# Allegro board 1156197-TDI_VU3P_QSFP28_CXP_V001_1023A-166-20241121_1644_PCB.brd (continued)
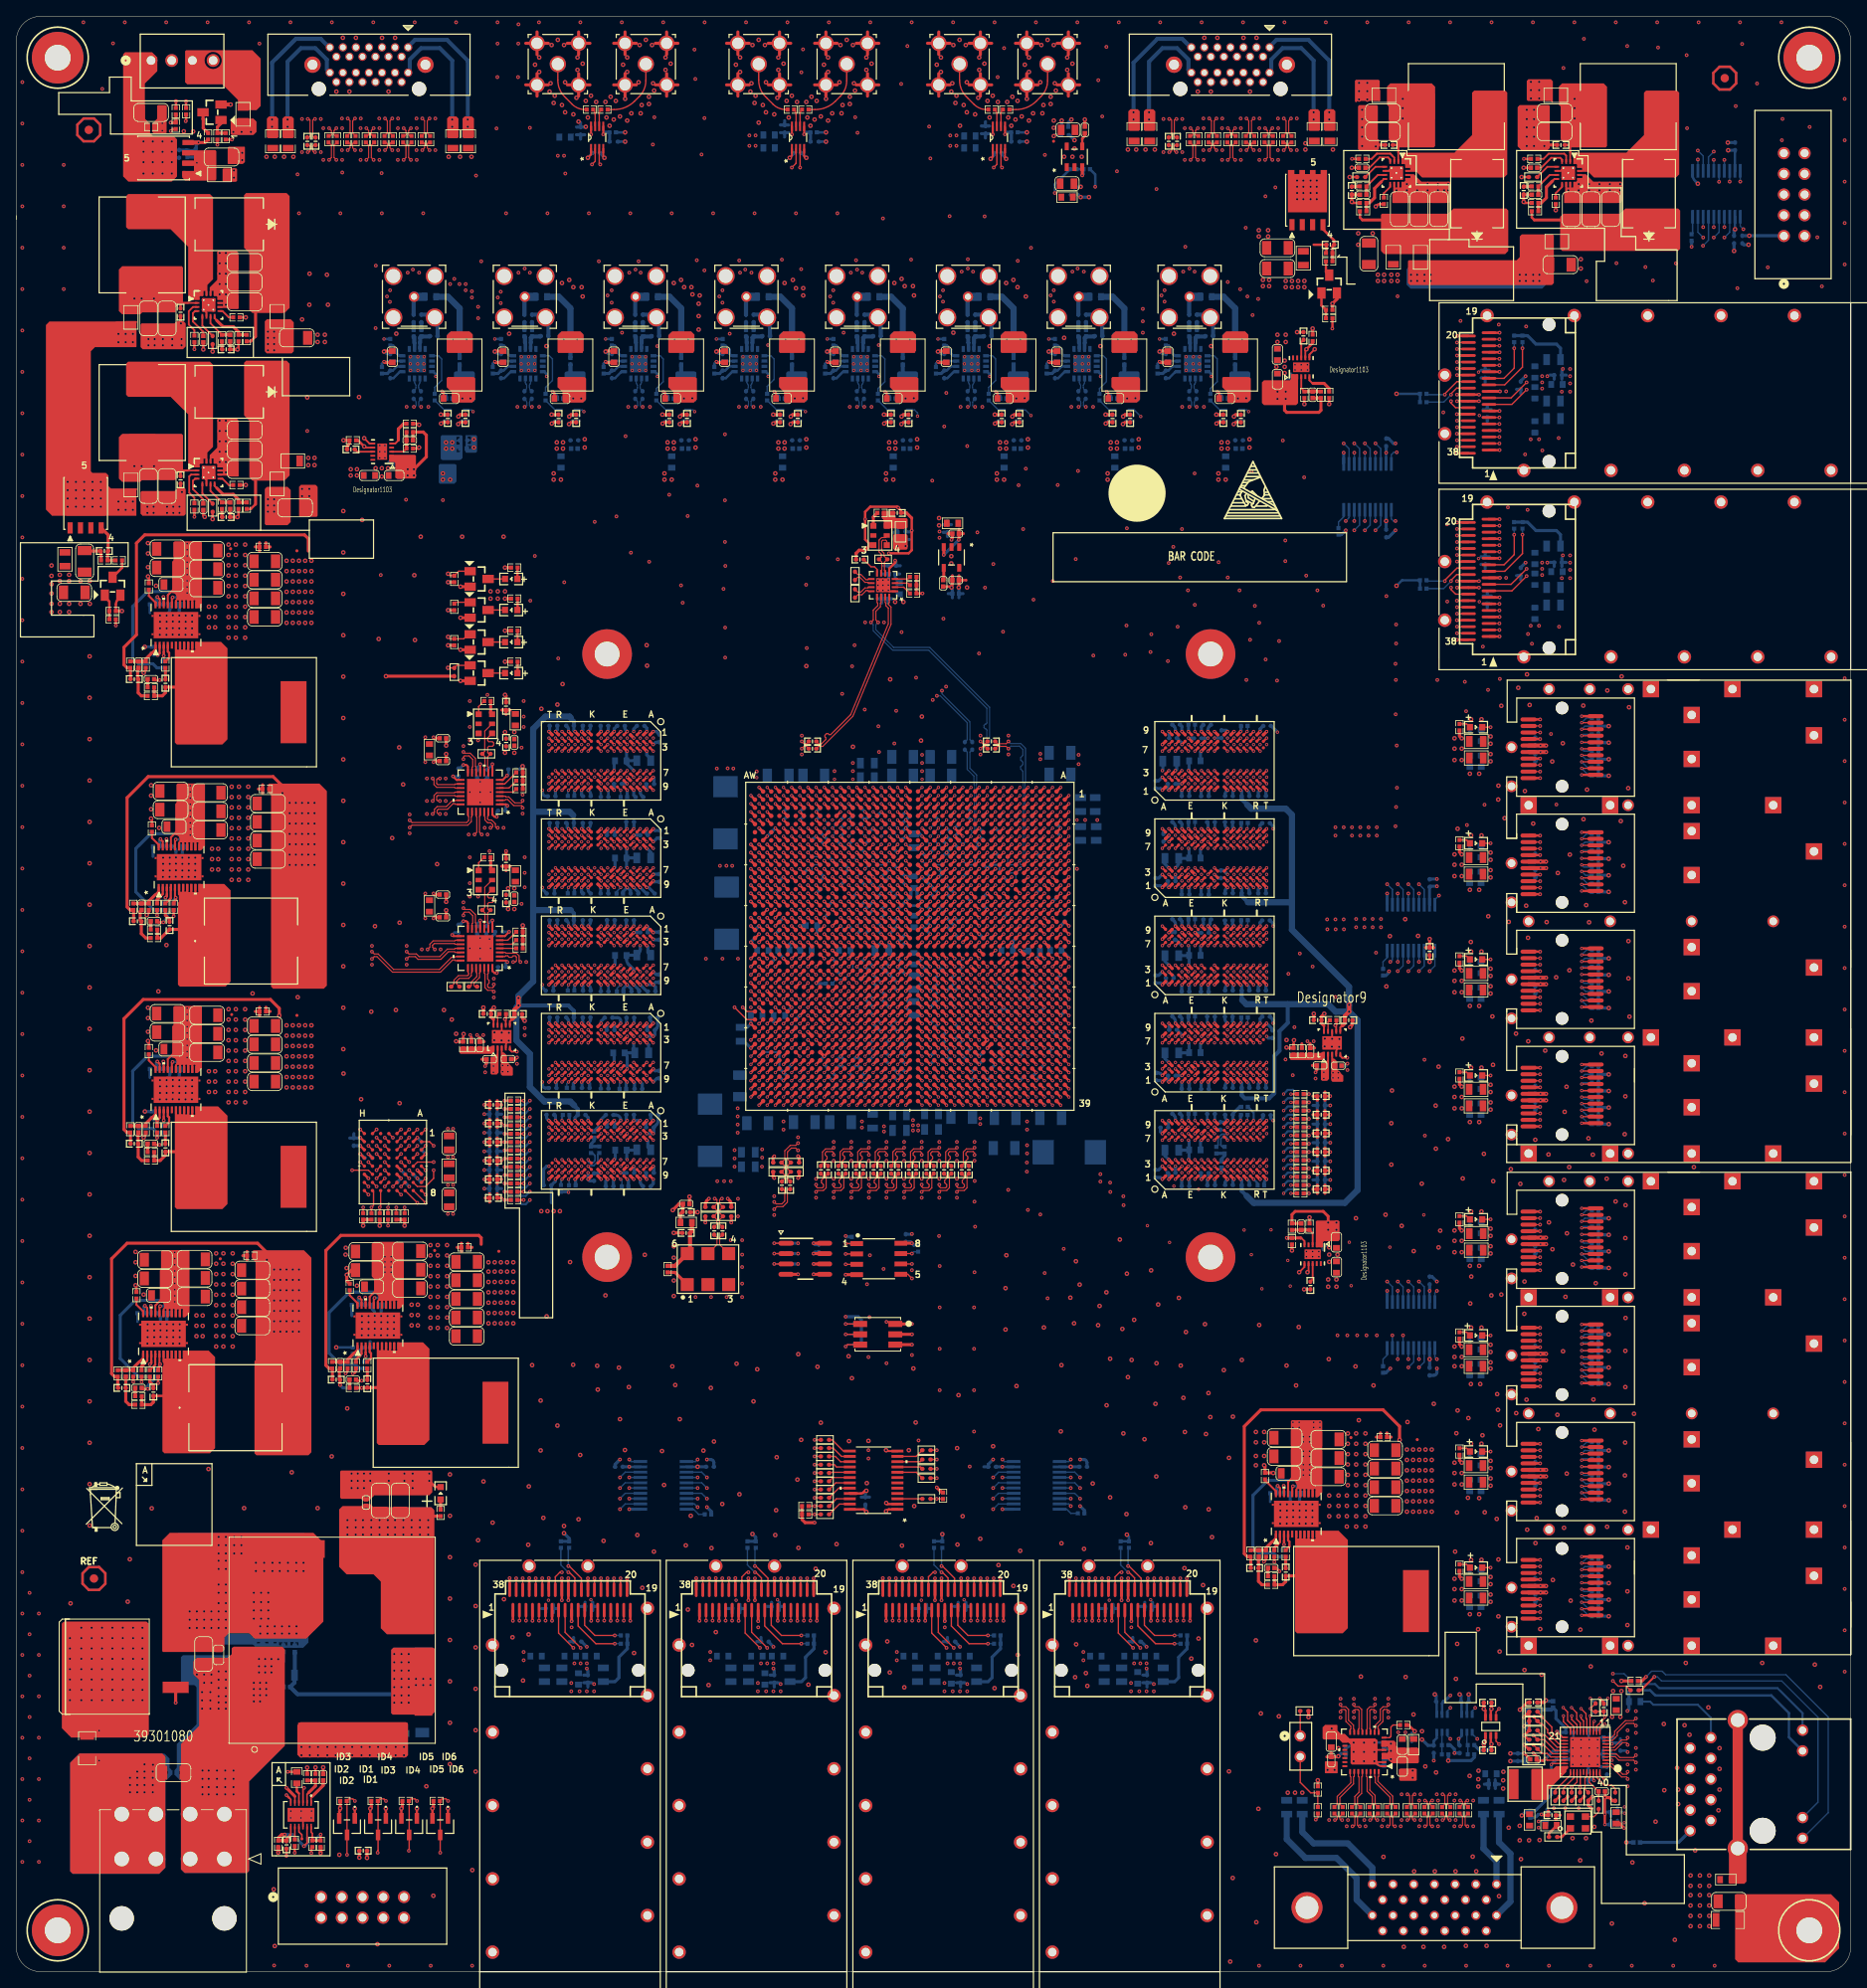
[diagram p0: board, top side]
## Routing (per net, layer and track width the routed paths; a pad name or vN(x,y) marks a point on that pad's centre or on a via; arc(x,y) is an arc through that point) (continued)
N29807267: length 16.2
  BOTTOM w0.495: v2(53.47,226.44) v2(53.47,227.33) 53.47,234.57 51.94,236.09 49.66,236.09 48.26,234.7 48.26,233.28 J28.14
N29807287: length 23.3
  TOP w0.14: R522.2 40.93,225.66 40.93,227.18 v1(40.65,227.46)
  ART14 w0.114: J28.12 39.28,235.04 39.4,234.93 39.4,234.33 39.28,234.22 38.91,234.22 36.91,236.22 34.87,236.22 34,235.34 34,230.62 36.01,228.6 40.46,228.6 40.94,228.12 40.94,227.75 v1(40.65,227.46)
N29807305: length 23.7
  TOP w0.14: R523.2 41.26,225.66 41.26,227.18 v1(41.54,227.46)
  ART14 w0.114: J28.25 39.26,233.67 39.01,233.91 38.79,233.91 36.78,235.91 35,235.91 34.3,235.22 34.3,230.75 36.14,228.91 40.59,228.91 41.25,228.24 41.25,227.75 v1(41.54,227.46)
N29807406: length 23
  TOP w0.14: R526.2 38.51,225.32 38.65,225.46 38.65,225.98 v1(38.37,226.26)
  ART12 w0.114: J28.11 40.06,234.39 39.88,234.22 38.91,234.22 36.73,236.4 34.85,236.4 33.91,235.46 33.91,230.71 36.27,228.35 38.1,228.35 38.66,227.79 38.66,226.55 v1(38.37,226.26)
N29807430: length 23
  TOP w0.14: R527.2 39.11,225.32 38.98,225.46 38.98,225.98 v1(39.26,226.26)
  ART12 w0.114: J28.24 40.6,233.08 40.87,233.35 40.87,233.72 40.68,233.91 40.01,233.91 40.01,233.91 38.78,233.91 36.6,236.09 34.98,236.09 34.22,235.33 34.22,230.83 36.4,228.65 37.09,228.65 37.3,228.87 37.53,228.87 37.75,228.65 38.23,228.65 38.96,227.92 38.96,226.55 v1(39.26,226.26)
N29807492: length 27.2
  TOP w0.14: v1(42.94,226.26) 43.22,225.98 43.22,225.46 43.08,225.32 R530.2
  ART16 w0.114: J28.10 41.07,234.83 41.07,234.33 40.96,234.21 38.91,234.21 36.78,236.35 34.8,236.35 33.78,235.33 33.78,231.52 36.7,228.6 42.42,228.6 43.23,227.79 43.23,226.55 v1(42.94,226.26)
N29807516: length 27.5
  TOP w0.14: v1(43.83,226.26) 43.55,225.98 43.55,225.46 43.69,225.32 R531.2
  ART16 w0.114: J28.23 40.86,233.74 40.69,233.91 38.79,233.91 36.65,236.04 34.93,236.04 34.09,235.2 34.09,231.65 36.83,228.91 42.55,228.91 43.54,227.92 43.54,226.55 v1(43.83,226.26)
N29807581: length 22.3
  TOP w0.14: C881.1 35.89,225.13 36.03,225.27 36.03,227.26 35.89,227.39 v1(35.75,227.39)
  ART07 w0.114: v1(35.75,227.39) 36.04,227.69 36.04,228.5 33.86,230.69 33.86,235.08 35.05,236.27 36.83,236.27 38.89,234.22 41.23,234.22 41.66,234.65 J28.9
N29807608: length 22.4
  TOP w0.14: C882.1 36.5,225.13 36.36,225.27 36.36,227.26 36.5,227.39 v1(36.64,227.39)
  ART07 w0.114: v1(36.64,227.39) 36.35,227.69 36.35,228.63 35.76,229.22 35.76,229.38 36.19,229.81 36.19,229.97 36.03,230.13 35.87,230.13 35.44,229.7 35.28,229.7 34.16,230.81 34.16,234.95 35.18,235.97 36.7,235.97 38.76,233.91 41.63,233.91 41.78,233.76 41.78,233.21 J28.22
N29808008: length 16.6
  BOTTOM w0.495: v2(31.37,226.44) v2(31.37,227.33) 31.37,234.31 34.29,237.24 37.34,237.24 38.38,236.19 J28.13
N29808025: length 15.8
  BOTTOM w0.495: v2(33.27,226.44) v2(33.27,227.33) 33.27,234.44 34.92,236.09 36.68,236.09 38.1,234.67 38.1,233.44 J28.26
N29863451: length 2.5
  TOP w0.254: U64.8 v1(95.14,225.5)
  BOTTOM w0.381: 93.73,225.72 C883.1 ; C883.1 94.74,225.72 ; C883.1 94.23,225.18
N29863542: length 7.5
  TOP w0.17: R548.2 94.41,228.55 arc(93.54,228.72) 92.81,229.21 92.05,229.97 91.9,230.12 arc(91.28,231.05) 91.06,232.16 J29.1
N29863544: length 2.1
  TOP w0.17: U64.7 95.64,227.97 arc(95.57,228.28) R548.1
N29863611: length 3
  TOP w0.254: U64.5 v1(96.63,225.51)
  BOTTOM w0.381: v1(96.63,225.51) 96.88,225.76 R550.1 97.41,225.73 R549.2
N29863635: length 2.1
  TOP w0.17: U64.6 96.13,227.97 arc(96.2,228.28) R551.1
N29863669: length 8.6
  TOP w0.17: R551.2 97.97,228.55 arc(99.33,228.82) 100.48,229.59 101.05,230.16 arc(101.65,231.05) 101.85,232.09 J30.1
N29863699: length 2.5
  TOP w0.254: U66.8 v1(119.77,225.5)
  BOTTOM w0.381: C887.1 119.38,225.59 ; C887.1 118.87,225.06 ; C887.1 118.36,225.59
N29863790: length 7.5
  TOP w0.17: J32.1 115.7,232.16 arc(115.92,231.05) 116.54,230.12 116.69,229.97 117.45,229.21 arc(118.18,228.72) 119.04,228.55 R555.2
N29863792: length 2.1
  TOP w0.17: U66.7 120.27,227.97 arc(120.21,228.28) R555.1
N29863859: length 3
  TOP w0.254: U66.5 v1(121.27,225.51)
  BOTTOM w0.381: v1(121.27,225.51) 121.51,225.76 R558.1 122.05,225.73 R557.2
N29863883: length 2.1
  TOP w0.17: U66.6 120.77,227.97 arc(120.83,228.28) R559.1
N29863917: length 8.6
  TOP w0.17: R559.2 122.61,228.55 arc(123.97,228.82) 125.12,229.59 125.69,230.16 arc(126.28,231.05) 126.49,232.09 J34.1
N29864503: length 2.5
  TOP w0.254: U65.8 v1(70.5,225.5)
  BOTTOM w0.381: 69.22,224.93 C885.1 ; C885.1 69.72,225.46 ; C885.1 68.71,225.46
N29864561: length 7.5
  TOP w0.17: J31.1 66.42,232.16 arc(66.64,231.05) 67.27,230.12 67.41,229.97 68.17,229.21 arc(68.91,228.72) 69.77,228.55 R552.2
N29864563: length 2.1
  TOP w0.17: U65.7 71,227.97 arc(70.94,228.28) R552.1
N29864642: length 3
  TOP w0.254: U65.5 v1(72,225.51)
  BOTTOM w0.381: R553.2 72.77,225.73 R554.1 72.24,225.76 v1(72,225.51)
N29864666: length 2.1
  TOP w0.17: U65.6 71.5,227.97 arc(71.56,228.28) R556.1
N29864700: length 8.6
  TOP w0.17: J33.1 77.22,232.09 arc(77.01,231.05) 76.42,230.16 75.84,229.59 arc(74.69,228.82) 73.33,228.55 R556.2
N29865270: length 25.2
  TOP w0.14: v1(155.46,227.46) 155.74,227.18 155.74,225.66 R532.1
  ART12 w0.114: J27.5 150.52,234.55 150.85,234.21 153.34,234.21 155.4,236.27 157.27,236.27 158.16,235.39 158.16,226.94 157.53,226.31 156.05,226.31 155.75,226.61 155.75,227.17 v1(155.46,227.46)
N29865288: length 24.9
  TOP w0.14: v1(156.35,227.46) 156.07,227.18 156.07,225.66 R533.1
  ART12 w0.114: v1(156.35,227.46) 156.06,227.17 156.06,226.74 156.17,226.62 157.41,226.62 157.85,227.06 157.85,232.75 157.73,232.86 157.62,232.86 157.51,232.98 157.51,233.2 157.62,233.32 157.73,233.32 157.85,233.43 157.85,235.26 157.15,235.97 155.53,235.97 153.47,233.91 150.73,233.91 150.34,234.29 150.09,234.29 149.78,233.98 149.78,233.23 149.93,233.08 J27.18
N29865306: length 23.9
  TOP w0.14: R536.1 151.17,225.66 151.17,227.18 v1(150.89,227.46)
  ART16 w0.114: v1(150.89,227.46) 151.18,227.75 151.18,228.45 151.58,228.85 155.24,228.85 157.45,231.06 157.45,235.03 156.57,235.91 155.47,235.91 153.47,233.91 151.71,233.91 151.32,233.51 J27.17
N29865324: length 23.9
  TOP w0.14: R537.1 151.5,225.66 151.5,227.18 v1(151.78,227.46)
  ART16 w0.114: J27.4 150.95,234.67 150.95,234.33 151.07,234.22 153.34,234.22 155.35,236.22 156.7,236.22 157.76,235.16 157.76,230.94 155.37,228.55 151.71,228.55 151.49,228.32 151.49,227.75 v1(151.78,227.46)
N29865342: length 25
  TOP w0.14: v1(153.17,226.26) 153.46,225.98 153.46,225.46 153.32,225.32 R540.1
  ART14 w0.114: v1(153.17,226.26) 153.47,225.97 153.47,225.34 153.76,225.04 156.97,225.04 157.94,226.01 157.94,234.77 156.56,236.15 155.27,236.15 153.34,234.22 152.55,234.22 152.12,234.65 J27.3
N29865360: length 24.9
  TOP w0.14: R541.1 153.92,225.32 153.78,225.46 153.78,225.98 v1(154.06,226.26)
  ART14 w0.114: v1(154.06,226.26) 153.77,225.97 153.77,225.47 153.89,225.35 156.84,225.35 157.63,226.14 157.63,232.12 157.52,232.23 157.39,232.23 157.28,232.35 157.28,232.58 157.39,232.69 157.52,232.69 157.63,232.8 157.63,234.64 156.44,235.84 155.4,235.84 153.47,233.91 152.43,233.91 152.12,234.21 151.46,234.21 151.31,234.06 151.31,233.19 151.42,233.08 J27.16
N29865498: length 24.2
  TOP w0.14: R534.2 48.26,225.32 48.12,225.46 48.12,225.98 v1(48.4,226.26)
  ART12 w0.114: v1(48.4,226.26) 48.11,226.55 48.11,228.23 48.35,228.47 50.55,228.47 52.49,230.42 52.49,235.16 51.38,236.27 49.71,236.27 47.65,234.22 45.15,234.22 44.86,234.51 J28.5
N29865516: length 24.1
  TOP w0.14: R535.2 47.65,225.32 47.79,225.46 47.79,225.98 v1(47.51,226.26)
  ART12 w0.114: J28.18 44.29,233.08 44.07,233.3 44.07,233.76 44.22,233.91 47.78,233.91 49.84,235.97 51.25,235.97 52.18,235.04 52.18,230.55 50.42,228.78 48.22,228.78 47.8,228.36 47.8,226.55 v1(47.51,226.26)
N29865534: length 21.4
  TOP w0.14: R538.2 50.08,225.66 50.08,227.18 v1(49.8,227.46)
  ART16 w0.114: v1(49.8,227.46) 50.09,227.75 50.09,228.45 50.36,228.72 50.36,228.88 50.28,228.96 50.28,229.12 50.44,229.28 50.6,229.28 50.68,229.2 50.84,229.2 52.27,230.63 52.27,235.28 51.51,236.04 49.91,236.04 47.78,233.91 45.8,233.91 45.66,233.77 J28.17
N29865552: length 20.3
  TOP w0.14: R539.2 50.41,225.66 50.41,227.18 v1(50.69,227.46)
  ART16 w0.114: J28.4 45.66,234.33 45.77,234.21 47.65,234.21 49.78,236.35 51.64,236.35 52.58,235.41 52.58,230.51 50.39,228.32 50.39,227.75 v1(50.69,227.46)
N29865570: length 25
  TOP w0.14: R542.2 45.83,225.66 45.83,227.18 v1(46.11,227.46)
  ART14 w0.114: J28.3 46.46,234.59 46.84,234.21 47.65,234.21 49.84,236.4 51.47,236.4 52.58,235.29 52.58,230.5 50.55,228.47 46.1,228.47 45.82,228.2 45.82,227.75 v1(46.11,227.46)
N29865588: length 24.9
  TOP w0.14: R543.2 45.51,225.66 45.51,227.18 v1(45.22,227.46)
  ART14 w0.114: v1(45.22,227.46) 45.52,227.75 45.52,228.32 45.97,228.78 50.42,228.78 52.27,230.63 52.27,235.16 51.34,236.09 49.96,236.09 47.78,233.91 45.86,233.91 45.67,233.72 45.67,233.27 45.86,233.08 J28.16
N29910847: length 3.1
  TOP w0.381: R592.1 10.39,174.3 C903.1 8.44,174.37 C902.1
N29910865:
  vias: v2(6.3,182.85) v2(6.3,181.84) v2(6.3,180.82) v2(6.3,179.81) v2(7.32,182.85) v2(7.32,181.84) v2(7.32,180.82) v2(7.32,179.81) v2(8.33,182.85) v2(8.33,181.84) v2(8.33,180.82) v2(8.33,179.81) v2(9.35,182.85) v2(9.35,181.84) v2(9.35,180.82) v2(9.35,179.81) v2(10.36,182.85) v2(10.36,181.84) v2(10.36,180.82) v2(10.36,179.81) v2(12.52,201.02) v2(12.52,200) v2(12.52,180.44) v2(12.52,179.43) v2(13.41,201.02) v2(13.41,200) v2(13.41,180.44) v2(13.41,179.43) v2(14.3,201.02) v2(14.3,200) v2(14.3,180.44) v2(14.3,179.43)
N29910934: length 5.3
  TOP w0.305: R593.1 R592.2
  TOP w0.381: Q8.4 11.26,176.35 C903.2 11.2,174.3 R592.2
N29910979: length 2.6
  TOP w0.305: R593.2 12.97,172.32 Q9.3
N29911008: length 3.2
  TOP w0.305: R594.1 R595.2 11.41,168.17 10.86,168.72 Q9.1
N29938726: length 2.6
  TOP w0.305: 159.13,211.96 C908.1 160.69,211.01 R596.1
N29938744:
  vias: v2(157.1,219.84) v2(157.1,219.07) v2(157.1,218.31) v2(157.1,217.55) v2(157.86,219.84) v2(157.86,219.07) v2(157.86,218.31) v2(157.86,217.55) v2(158.75,219.84) v2(158.75,219.07) v2(158.75,218.31) v2(158.75,217.55) v2(159.51,219.84) v2(159.51,219.07) v2(159.51,218.31) v2(159.51,217.55) v2(164.69,231.83) v2(164.69,230.81) v2(164.69,229.79) v2(165.71,231.83) v2(165.71,230.81) v2(165.71,229.79) v2(185.78,231.95) v2(185.78,230.94) v2(185.78,229.92) v2(186.79,231.95) v2(186.79,230.94) v2(186.79,229.92)
N29938818: length 5.1
  TOP w0.305: R596.2 161.44,211.77 C908.2 161.63,212.51 160.27,213.87 Q10.4
  TOP w0.381: R597.1 R596.2
N29938863: length 1.9
  TOP w0.305: R597.2 160.63,208.64 Q11.3
N29938892: length 3.3
  TOP w0.305: R598.1 R599.2 160.09,204.51 Q11.1
N30109422: length 32.2
  ART05 w0.122: v1(179.2,28.57) 178.94,28.32 178.94,26.92 180.47,25.4 180.47,17.02 177.8,14.35 171.07,14.35 169.93,13.21 169.93,10.16 168.86,9.1 J35.24
  BOTTOM w0.17: v1(179.2,28.57) 178.58,29.19 U69.4
N30110782: length 2.8
  BOTTOM w0.17: R601.2 R600.1 177.93,27.92 U69.5
N30111301: length 2.7
  BOTTOM w0.17: U70.5 174.86,29.36 R602.1 R603.2
N30132318: length 1.7
  TOP w0.17: v1(89.1,118.36) 89.6,117.86 U1.AW28
N30132319: length 3.1
  TOP w0.17: v1(88.1,118.36) 89.6,116.86 U1.AW29
N241274570: length 2.2
  TOP w0.279: R340.1 43.51,75.3 43.51,75.9 43.35,76.06 U43.4
N254427481: length 1.8
  BOTTOM w0.305: C542.2 59.84,195.59 60.64,196.38 U27.13
N254472061: length 1.8
  BOTTOM w0.305: U31.13 87.82,196.38 87.02,195.59 C566.2
N273868450: length 1
  TOP w0.381: C661.2 R342.1
N273966991: length 1
  TOP w0.381: C677.2 R354.1
N287148553: length 2.3
  TOP w0.279: R362.2 17.04,74.49 17.04,75.79 U45.4
N287151270: length 1
  TOP w0.381: C692.2 R364.1
N287157470: length 1
  TOP w0.381: C707.2 R379.1
N287270873: length 2.3
  TOP w0.279: U47.4 18.95,133.07 18.95,131.77 R389.2
N287273590: length 1
  TOP w0.381: C722.2 R391.1
N293224279: length 2.4
  BOTTOM w0.17: U19.10 168.14,75.69 167.64,75.18 R188.2
N293881123: length 2.2
  TOP w0.279: U44.4 18.58,105.02 18.74,104.86 18.74,104.26 R352.1
N297047483: length 2.2
  TOP w0.279: U48.4 18.58,162.04 18.74,161.88 18.74,161.28 R401.1
N297050160: length 1
  TOP w0.381: C737.2 R403.1
N297077913: length 2.2
  TOP w0.279: U46.4 156,52.95 156.16,52.79 156.16,52.19 R376.1
N297774209: length 2.4
  BOTTOM w0.17: U20.10 168.14,124.46 167.64,123.95 R222.2
N2323820015: length 1.8
  BOTTOM w0.305: U26.13 47.05,196.38 46.26,195.59 C543.2
N2544678615: length 1.8
  BOTTOM w0.305: C567.2 73.43,195.59 74.23,196.38 U30.13
N2977906715: length 1.8
  BOTTOM w0.305: C614.2 141.38,195.59 142.18,196.38 U39.13
N2977931715: length 1.8
  BOTTOM w0.305: C591.2 100.61,195.59 101.41,196.38 U34.13
N2977952715: length 1.8
  BOTTOM w0.305: C590.2 114.2,195.59 115,196.38 U35.13
N2977961715: length 1.8
  BOTTOM w0.305: C615.2 127.79,195.59 128.59,196.38 U38.13

## Copper pours and planes (outline as drawn; the poured copper is in the pictures)
AVDD10 on TOP: 195.61,32.42 197,32.42 197.13,32.29 197.13,31.3 196.72,30.89 195.61,30.89 195.48,31.02 195.48,32.29
AVDD10 on BOTTOM: 197.13,30.26 197.12,30.24 197.12,27.98 196.9,27.76 196.37,27.76 196.24,27.64 196.24,26.55 196.95,25.84 196.95,22.43 196.75,22.23 192.61,22.23 192.41,22.43 192.41,23.62 192.67,23.88 193.43,23.88 194.2,23.11 195.33,23.11 195.71,23.5 195.71,25.4 195.23,25.88 195.23,30.86 195.44,31.07 195.44,31.48 195.58,31.62 196.98,31.62 197.13,31.47
AVDD33 on TOP: 195.73,20.48 197.51,20.48 197.64,20.35 197.64,19.33 197.51,19.21 195.73,19.21 195.61,19.33 195.61,20.35
AVDD33 on BOTTOM: 196.31,19.21 197.51,19.21 197.64,19.33 197.64,20.48 197.51,20.6 196.44,20.6 196.27,20.43 196.27,19.25
AVDD33 on ART05: 194.18,32 196.47,32 197.23,32.77 199.39,32.77 199.77,32.38 199.77,19.05 199.26,18.54 194.31,18.54 193.93,18.92 193.93,24.77 194.41,25.25 194.41,28.73 193.93,29.21 193.93,31.75
DVDD33 on TOP: 186.08,18.95 186.08,19.6 185.99,19.68 184.53,19.68 184.4,19.56 184.4,18.95 184.53,18.83 185.95,18.83
GND on TOP (solid shape): 29.46,227.08 29.46,225.81 29.08,225.43 26.42,225.43 26.29,225.55 26.29,227.33 26.42,227.46 29.08,227.46
GND on TOP (solid shape): 36.96,182.25 36.96,178.69 36.83,178.56 34.8,178.56 34.67,178.69 34.67,182.25 34.92,182.5 36.7,182.5
GND on TOP (solid shape): 48.06,30.38 48.06,26.57 47.78,26.29 34.8,26.29 34.47,26.63 34.47,30.25 34.85,30.63 47.8,30.63
GND on TOP (solid shape): 162.08,25.76 162.08,24.41 162.03,24.36 160.55,24.36 160.5,24.41 160.5,25.76 160.58,25.83 162,25.83
GND on TOP (solid shape): 28.04,223.93 28.04,222.12 27.79,221.87 26.04,221.87 25.93,221.97 25.93,223.88 26.06,224 27.97,224
GND on TOP (solid shape): 171.78,24.82 171.78,23.55 171.65,23.42 169.75,23.42 169.62,23.55 169.62,24.82 169.75,24.94 171.65,24.94
GND on TOP (solid shape): 18.44,228.96 18.44,225.73 18.36,225.65 16.81,225.65 16.66,225.81 16.66,226.82 17.27,227.43 17.27,228.98 17.4,229.11 18.29,229.11
GND on TOP (solid shape): 188.09,228.98 188.09,223.82 187.83,223.57 184.61,223.57 184.15,224.03 184.15,228.85 184.4,229.11 187.96,229.11
GND on TOP (solid shape): 20.78,202.31 20.78,199.47 20.45,199.14 15.49,199.14 15.24,199.39 15.24,202.18 15.37,202.31 19.41,202.31 19.66,202.56 20.52,202.56
GND on TOP (solid shape): 20.78,181.97 20.78,178.89 20.57,178.69 15.49,178.69 15.24,178.94 15.24,181.61 15.37,181.74 19.41,181.74 19.76,182.09 20.65,182.09
GND on TOP (solid shape): 167,228.98 167,224.94 167.16,224.79 167.16,223.75 166.98,223.57 164.69,223.57 164.57,223.7 164.57,228.96 164.72,229.11 166.88,229.11
GND on TOP (solid shape): 51.03,61.39 51.03,58.85 50.65,58.47 43.92,58.47 43.23,57.78 42.55,57.78 42.29,58.04 43.1,58.04 43.1,58.42 42.72,58.42 42.72,58.04 39.85,58.04 39.73,58.17 39.73,61.39 39.85,61.52 50.9,61.52
GND on TOP (solid shape): 162.05,30.23 162.05,29.59 162.43,29.21 162.94,29.21 163.53,28.63 166.7,28.63 166.95,28.37 166.95,25.58 166.83,25.45 163.78,25.45 163.65,25.58 163.65,27.86 163.4,28.12 162.64,28.12 162.26,28.5 160.35,28.5 160.22,28.63 160.22,30 160.53,30.3 161.98,30.3
GND on TOP (solid shape): 27.25,210.97 27.25,204.17 27.18,204.09 26.01,204.09 25.91,204.19 24.71,204.19 24.66,204.24 24.66,204.42 24.69,204.44 25.32,204.44 25.35,204.47 25.35,204.67 25.32,204.7 24.69,204.7 24.66,204.72 24.66,204.9 24.69,204.93 25.3,204.93 25.35,204.98 25.35,205.16 25.3,205.21 24.69,205.21 24.66,205.23 24.66,205.54 24.54,205.66 24.26,205.66 24.21,205.71 24.21,206.27 24.18,206.3 23.95,206.3 23.93,206.27 23.93,205.69 23.9,205.66 23.77,205.66 23.72,205.71 23.72,206.73 24.64,207.65 24.64,211.07 24.74,211.18 27.05,211.18
GND on TOP (solid shape): 27.25,190.4 27.25,183.59 27.18,183.51 26.01,183.51 25.91,183.62 24.71,183.62 24.66,183.67 24.66,183.85 24.69,183.87 25.32,183.87 25.35,183.9 25.35,184.1 25.32,184.12 24.69,184.12 24.66,184.15 24.66,184.33 24.69,184.35 25.3,184.35 25.35,184.4 25.35,184.58 25.3,184.63 24.69,184.63 24.66,184.66 24.66,184.96 24.54,185.09 24.26,185.09 24.21,185.14 24.21,185.7 24.18,185.72 23.95,185.72 23.93,185.7 23.93,185.12 23.9,185.09 23.77,185.09 23.72,185.14 23.72,186.16 24.64,187.07 24.64,190.5 24.74,190.6 27.05,190.6
GND on TOP (solid shape): 172.34,219.71 175.77,219.71 175.87,219.61 175.87,217.3 175.67,217.09 168.86,217.09 168.78,217.17 168.78,218.34 168.88,218.44 168.88,219.63 168.94,219.68 169.11,219.68 169.14,219.66 169.14,219.02 169.16,219 169.37,219 169.39,219.02 169.39,219.66 169.42,219.68 169.6,219.68 169.62,219.66 169.62,219.05 169.67,219 169.85,219 169.9,219.05 169.9,219.66 169.93,219.68 170.23,219.68 170.36,219.81 170.36,220.09 170.41,220.14 170.97,220.14 170.99,220.17 170.99,220.4 170.97,220.42 170.38,220.42 170.36,220.45 170.36,220.57 170.41,220.62 171.42,220.62
GND on TOP (solid shape): 193.42,219.71 196.85,219.71 196.95,219.61 196.95,217.3 196.75,217.09 189.94,217.09 189.87,217.17 189.87,218.34 189.97,218.44 189.97,219.63 190.02,219.68 190.2,219.68 190.22,219.66 190.22,219.02 190.25,219 190.45,219 190.47,219.02 190.47,219.66 190.5,219.68 190.68,219.68 190.7,219.66 190.7,219.05 190.75,219 190.93,219 190.98,219.05 190.98,219.66 191.01,219.68 191.31,219.68 191.44,219.81 191.44,220.09 191.49,220.14 192.05,220.14 192.07,220.17 192.07,220.4 192.05,220.42 191.47,220.42 191.44,220.45 191.44,220.57 191.49,220.62 192.51,220.62
GND on BOTTOM (solid shape): 56.52,188.47 56.52,186.56 56.39,186.44 55.12,186.44 55.12,186.89 55.75,186.89 55.75,187.27 55.37,187.27 55.37,186.89 55.12,186.89 55.12,187.53 55.75,187.53 55.75,187.91 55.37,187.91 55.37,187.53 55.12,187.53 55.12,188.06 55.75,188.06 55.75,188.44 55.37,188.44 55.37,188.06 55.12,188.06 55.12,188.59 56.39,188.59
GND on ART05 (solid shape): 192.8,111.35 192.8,106.2 192.72,106.11 192.39,106.11 192.3,106.17 192.31,106.28 192.41,106.59 192.26,106.87 192.22,106.95 192.41,107.35 192.22,107.75 192.41,108.15 192.22,108.55 192.41,108.95 192.22,109.35 192.41,109.75 192.22,110.15 192.26,110.23 192.38,110.71 191.94,110.95 191.86,110.97 191.82,111.05 191.82,111.52 192.63,111.52
GND on TOP: 89.43,82.65 89.05,82.27 79.12,82.27 78.61,82.78 78.61,95.38 79.25,96.01 89.03,96.01 89.43,95.61 ; 1 cut-out
GND on TOP: 14.32,84.18 14.32,88.52 14.47,88.67 16.92,88.67 17.07,88.52 17.07,82.52 16.87,82.32 15.49,82.32 15.37,82.45 15.37,83.82 15.19,84 14.49,84
GND on TOP: 26.51,133.47 26.01,133.96 17.12,133.96 16.98,134.1 16.98,137.02 17.12,137.16 22.91,137.16 23.74,137.99 23.74,145.62 23.95,145.82 30.33,145.82 30.48,145.67 30.48,144.65 30.1,144.27 30.1,133.6 29.96,133.47 27.9,133.47
GND on TOP: 192.15,210.57 192.28,210.44 192.28,208.66 192.02,208.41 190.12,208.41 189.99,208.53 189.99,210.44 190.12,210.57
GND on TOP: 162,225.17 162.13,225.04 162.13,223.39 162,223.27 157.99,223.27 157.73,223.52 157.73,224.92 157.99,225.17
GND on TOP: 59.56,129.54 59.31,129.79 59.31,131.32 59.56,131.57 61.85,131.57 62.1,131.83 62.1,136.91 61.72,137.29 56.39,137.29 56.01,136.91 56.01,133.35 56.13,133.22 56.9,133.22 57.02,133.1 57.02,131.57 56.9,131.44 55.37,131.44 55.24,131.57 55.24,137.29 55.75,137.79 62.23,137.79 62.61,137.41 62.61,129.79 62.36,129.54 ; 3 cut-outs
GND on TOP: 15.84,171.17 15.84,175.51 15.99,175.67 18.44,175.67 18.59,175.51 18.59,169.52 18.39,169.32 17.02,169.32 16.89,169.44 16.89,170.81 16.71,170.99 16.02,170.99
GND on TOP: 60.68,113.87 60.68,115.42 60.53,115.57 55.58,115.57 55.47,115.47 55.47,113.97 55.58,113.87
GND on TOP: 129.29,218.82 129.29,220.6 129.54,220.85 129.54,222.12 129.41,222.25 128.02,222.25 127.89,222.38 127.89,223.14 128.02,223.27 129.29,223.27 129.41,223.39 129.41,226.69 130.18,226.69 130.3,226.57 130.3,225.43 130.18,225.3 130.18,223.39 130.3,223.27 131.19,223.27 131.32,223.14 131.32,222.38 131.19,222.25 130.18,222.25 130.05,222.12 130.05,220.85 130.3,220.6 130.3,220.34 130.81,219.84 130.81,218.82 130.68,218.69 129.41,218.69
GND on TOP: 50.89,77.2 50.37,77.72 41.48,77.72 41.37,77.84 41.37,80.76 41.51,80.9 47.54,80.9 48.13,81.49 48.13,89.36 48.33,89.56 54.71,89.56 54.86,89.41 54.86,88.39 54.48,88.01 54.48,77.46 54.23,77.2 52.29,77.2
GND on TOP: 26.13,163.18 25.63,163.68 16.74,163.68 16.6,163.82 16.6,166.74 16.74,166.88 22.91,166.88 23.36,167.33 23.36,175.33 23.57,175.54 29.95,175.54 30.1,175.39 30.1,174.37 29.72,173.99 29.72,163.32 29.58,163.18 27.52,163.18
GND on TOP: 143.28,196.22 145.32,196.22 145.57,196.47 145.57,198.6 145.39,198.78 143.23,198.78 143.16,198.71 143.16,196.34
GND on TOP: 162.53,113.11 162.53,114.66 162.38,114.81 157.43,114.81 157.33,114.71 157.33,113.21 157.43,113.11
GND on TOP: 61.75,196.22 63.78,196.22 64.04,196.47 64.04,198.6 63.86,198.78 61.7,198.78 61.62,198.71 61.62,196.34
GND on TOP: 88.93,196.22 90.96,196.22 91.21,196.47 91.21,198.6 91.04,198.78 88.88,198.78 88.8,198.71 88.8,196.34
GND on TOP: 42.16,89.53 42.29,89.41 42.29,85.78 43.36,84.71 43.36,83.54 43.16,83.34 41.78,83.34 41.53,83.59 41.53,84.84 41.35,85.01 40.34,85.01 40.01,85.34 40.01,89.15 40.39,89.53
GND on TOP: 160.22,95.5 160.22,108.03 160.43,108.23 161.82,108.23 161.95,108.1 161.95,95.53 161.87,95.45 160.27,95.45
GND on TOP: 35.43,201.93 38.1,201.93 38.35,201.68 38.35,199.52 38.1,199.26 35.31,199.26 35.05,199.52 35.05,201.55
GND on TOP: 152.15,214.12 153.8,214.12 153.92,214 153.92,206.63 153.8,206.5 152.15,206.5 151.89,206.76 151.89,213.87
GND on TOP: 59.31,149.35 59.31,150.5 59.44,150.62 61.8,150.62 62.05,150.88 62.05,155.88 61.47,156.46 56.39,156.46 56.01,156.08 56.01,152.53 56.13,152.4 56.9,152.4 57.02,152.27 57.02,150.75 56.9,150.62 55.37,150.62 55.24,150.75 55.24,156.46 55.75,156.97 61.72,156.97 62.48,156.21 62.48,149.35 62.23,149.1 59.56,149.1 ; 3 cut-outs
GND on TOP: 193.42,20.32 193.55,20.19 193.55,20.07 193.29,19.81 188.47,19.81 188.34,19.68 187.71,19.68 187.4,19.38 187.4,19.1 187.35,19.05 186.56,19.05 186.49,19.13 186.49,19.86 186.28,20.07 184.33,20.07 184,19.74 184,18.77 184.66,18.11 184.66,17.27 184.91,17.02 187.07,17.02 187.32,16.76 187.32,16.38 187.71,16 189.74,16 190.5,16.76 191.64,16.76 192.02,17.14 192.02,17.91 192.15,18.03 193.29,18.03 194.56,19.3 194.56,20.83 194.69,20.95 194.94,20.95 195.2,20.7 195.2,15.49 194.94,15.24 184.15,15.24 183.77,15.62 183.77,20.07 184.02,20.32
GND on TOP: 176.02,65.53 171.58,69.98 151.89,69.98 149.22,67.31 149.22,51.46 148.95,51.18 56.39,51.18 55.63,51.94 55.63,59.69 56.64,60.71 63.12,60.71 63.75,61.34 63.75,78.23 65.91,80.39 89.53,80.39 90.81,81.66 90.81,91.95 91.19,92.33 114.05,92.33 119.13,97.41 119.13,103.38 120.65,104.9 129.16,104.9 130.56,106.3 130.56,146.81 130.05,147.32 124.46,147.32 123.95,147.83 123.95,152.4 123.32,153.03 117.12,153.03 116.71,152.63 116.71,149.2 116.33,148.82 102.13,148.82 101.85,149.1 101.85,150.75 108.97,157.86 108.97,165.99 109.98,167 116.33,167 117.6,168.28 117.6,179.32 116.71,180.21 101.85,180.21 99.95,178.31 99.95,158.24 95,153.29 95,147.45 93.6,146.05 89.41,146.05 89.15,145.8 89.15,119.51 88.9,119.25 87.88,119.25 87.5,118.87 87.5,117.6 89.15,115.95 89.15,98.3 88.77,97.92 80.77,97.92 80.01,98.68 80.01,153.8 79.25,154.56 64.14,154.56 62.87,155.83 62.87,173.23 61.98,174.12 52.83,174.12 51.82,173.1 51.82,160.27 51.31,159.77 45.09,159.77 44.7,159.38 44.7,158.62 44.96,158.37 51.44,158.37 51.82,157.99 51.82,153.54 51.18,152.91 48.84,152.91 48.08,152.15 48.08,142.9 47.62,142.44 47.62,138.68 49.15,137.16 49.15,128.27 48.01,127.13 43.43,127.13 42.55,126.24 42.55,121.03 43.18,120.4 51.69,120.4 52.7,119.38 52.7,106.81 51.82,105.92 40.13,105.92 39.62,106.43 39.62,180.21 41.02,181.61 53.59,181.61 54.1,182.12 54.1,187.83 54.99,188.72 161.04,188.72 163.58,191.26 163.58,204.85 164.59,205.87 171.83,205.87 173.23,204.47 173.23,160.27 175.13,158.37 175.13,119.51 175.64,119 180.97,119 181.36,118.62 181.36,112.9 180.97,112.52 176.15,112.52 175.51,111.89 175.51,105.03 176.02,104.52 181.23,104.52 181.74,104.01 181.74,94.49 181.23,93.98 176.15,93.98 175.13,92.96 175.13,87.63 175.77,87 181.74,87 182.37,86.36 182.37,80.26 181.74,79.63 176.28,79.63 175.39,78.74 175.39,73.15 176.02,72.52 181.61,72.52 182.25,71.88 182.25,66.04 181.74,65.53 ; 4 cut-outs
GND on TOP: 52.4,222.5 52.4,224.16 52.53,224.28 56.34,224.28 56.46,224.16 56.46,222.5 56.34,222.38 52.53,222.38
GND on TOP: 166.75,213.49 166.75,211.71 166.62,211.58 164.34,211.58 164.21,211.71 164.21,213.49 164.47,213.74 166.5,213.74
GND on TOP: 30.3,224.28 34.37,224.28 34.49,224.16 34.49,222.5 34.37,222.38 30.3,222.38 30.18,222.5 30.18,224.16
GND on TOP: 7.62,172.34 9.4,172.34 9.53,172.21 9.53,167.64 9.4,167.51 7.62,167.51 7.49,167.64 7.49,172.21
GND on TOP: 102.52,196.22 104.55,196.22 104.8,196.47 104.8,198.6 104.62,198.78 102.47,198.78 102.39,198.71 102.39,196.34
GND on TOP: 116.11,196.22 118.14,196.22 118.39,196.47 118.39,198.6 118.21,198.78 116.05,198.78 115.98,198.71 115.98,196.34
GND on TOP: 129.69,196.22 131.73,196.22 131.98,196.47 131.98,198.6 131.8,198.78 129.64,198.78 129.57,198.71 129.57,196.34
GND on TOP: 44.32,187.58 44.32,185.14 44.04,184.86 43.76,184.86 43.61,184.71 43.61,183.34 43.69,183.26 45.97,183.26 46.1,183.39 46.1,184.78 46,184.89 45.57,184.89 45.47,184.99 45.47,186.82 45.59,186.94 46.3,186.94 46.33,186.97 46.33,187.15 46.28,187.2 45.57,187.2 45.47,187.3 45.47,187.58 45.39,187.66 44.4,187.66
GND on TOP: 159.66,109.3 158.62,109.3 158.57,109.35 158.57,111.46 158.62,111.51 159.69,111.51 159.74,111.46 159.74,109.37
GND on TOP: 16.74,106.65 16.6,106.79 16.6,109.72 16.74,109.86 22.77,109.86 23.36,110.45 23.36,118.31 23.57,118.52 29.95,118.52 30.1,118.36 30.1,117.35 29.72,116.97 29.72,106.43 29.46,106.17 25.78,106.17 25.3,106.65
GND on TOP: 24.6,76.19 24.16,76.63 15.06,76.63 14.86,76.83 14.86,79.76 15.04,79.94 21.3,79.94 21.84,80.47 21.84,88.34 22.04,88.54 28.42,88.54 28.57,88.39 28.57,87.38 28.19,87 28.19,76.33 28.06,76.19 26,76.19
GND on TOP: 114.96,175.87 115.09,176 115.09,176.89 114.96,177.01 112.93,177.01 112.8,176.89 112.8,175.74 112.93,175.62 114.33,175.62 114.45,175.49 114.45,171.68 114.2,171.42 114.2,169.14 114.33,169.01 114.96,169.01 115.09,169.14 115.09,171.81 114.96,171.93
GND on TOP: 16.22,141.45 16.22,145.8 16.37,145.95 18.82,145.95 18.97,145.8 18.97,140.03 18.54,139.6 17.4,139.6 17.27,139.73 17.27,141.1 17.09,141.27 16.4,141.27
